# Altium PCB cricket-node-hw__B.PcbDoc (part 1 of 2)
Units mil, origin at the board's own origin, x right, y up, seen from the top; angles counter-clockwise.
Board outline 2830 x 2830 mil, 4 copper layers (Top Layer, GND1, PWR/SIG, Bottom Layer), stack 61.7 mil thick; 153 components, 116 nets, 542 pads, 320 vias.
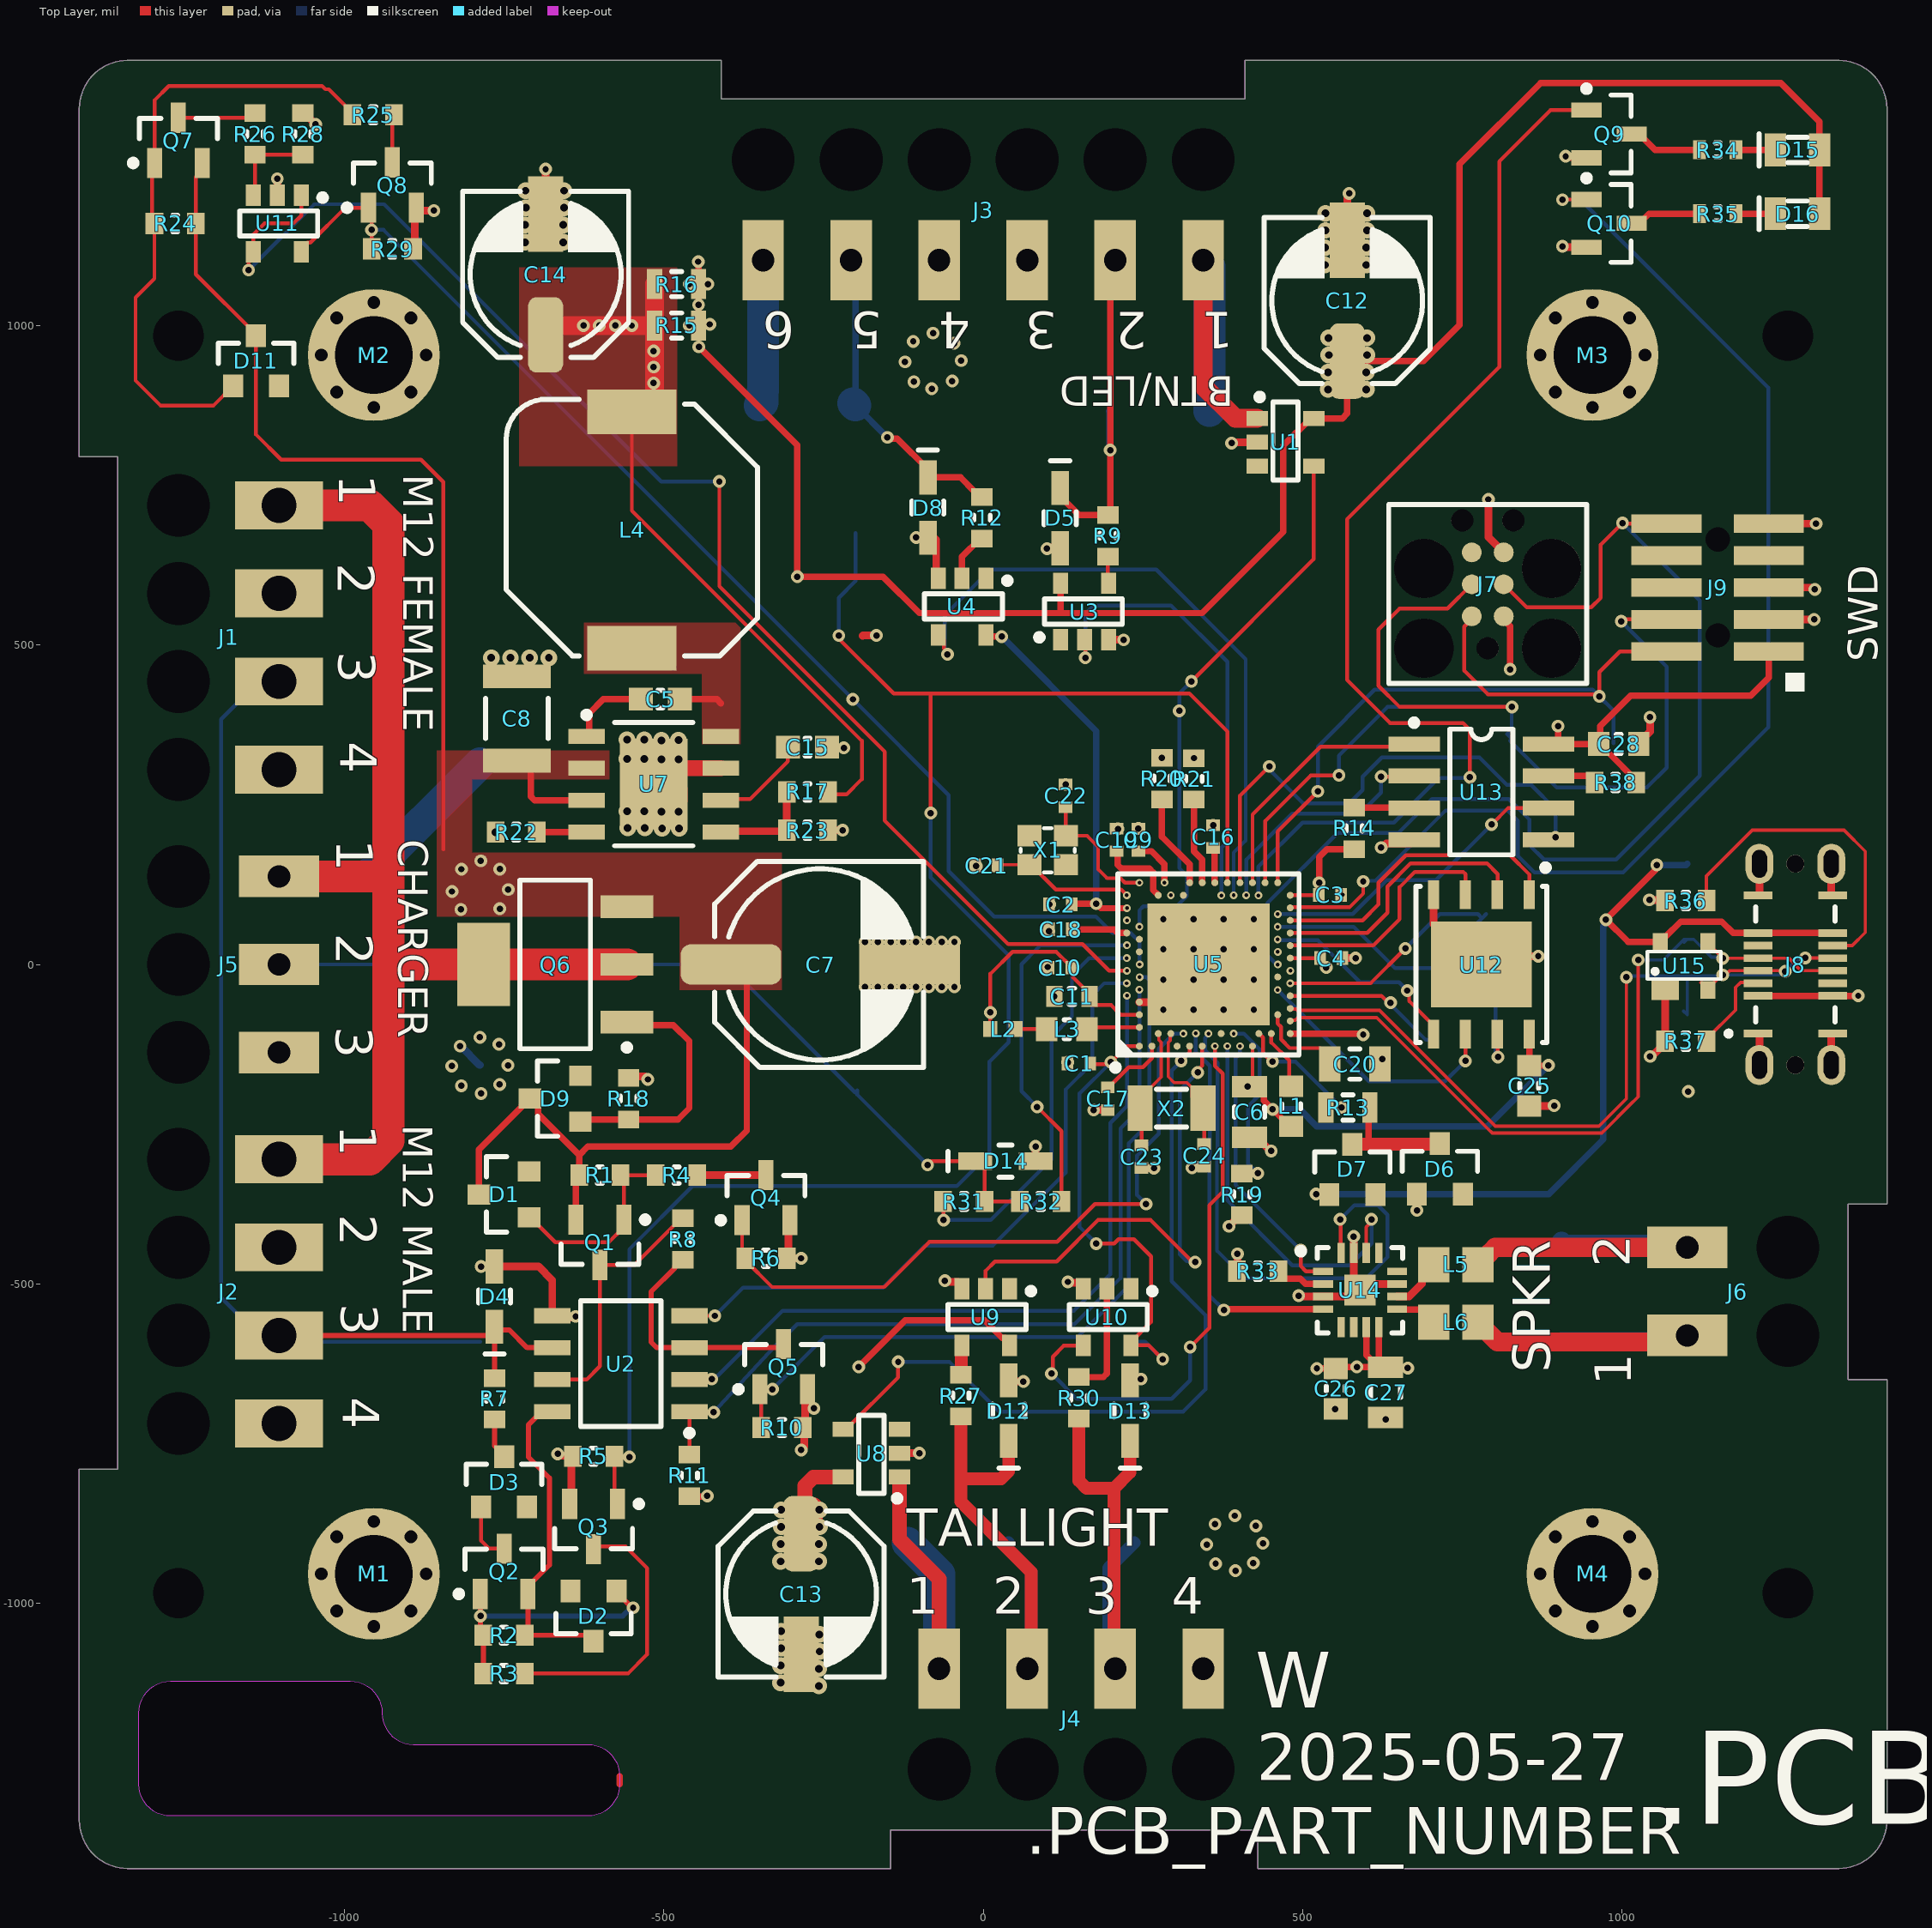
[diagram p0: Top Layer view]
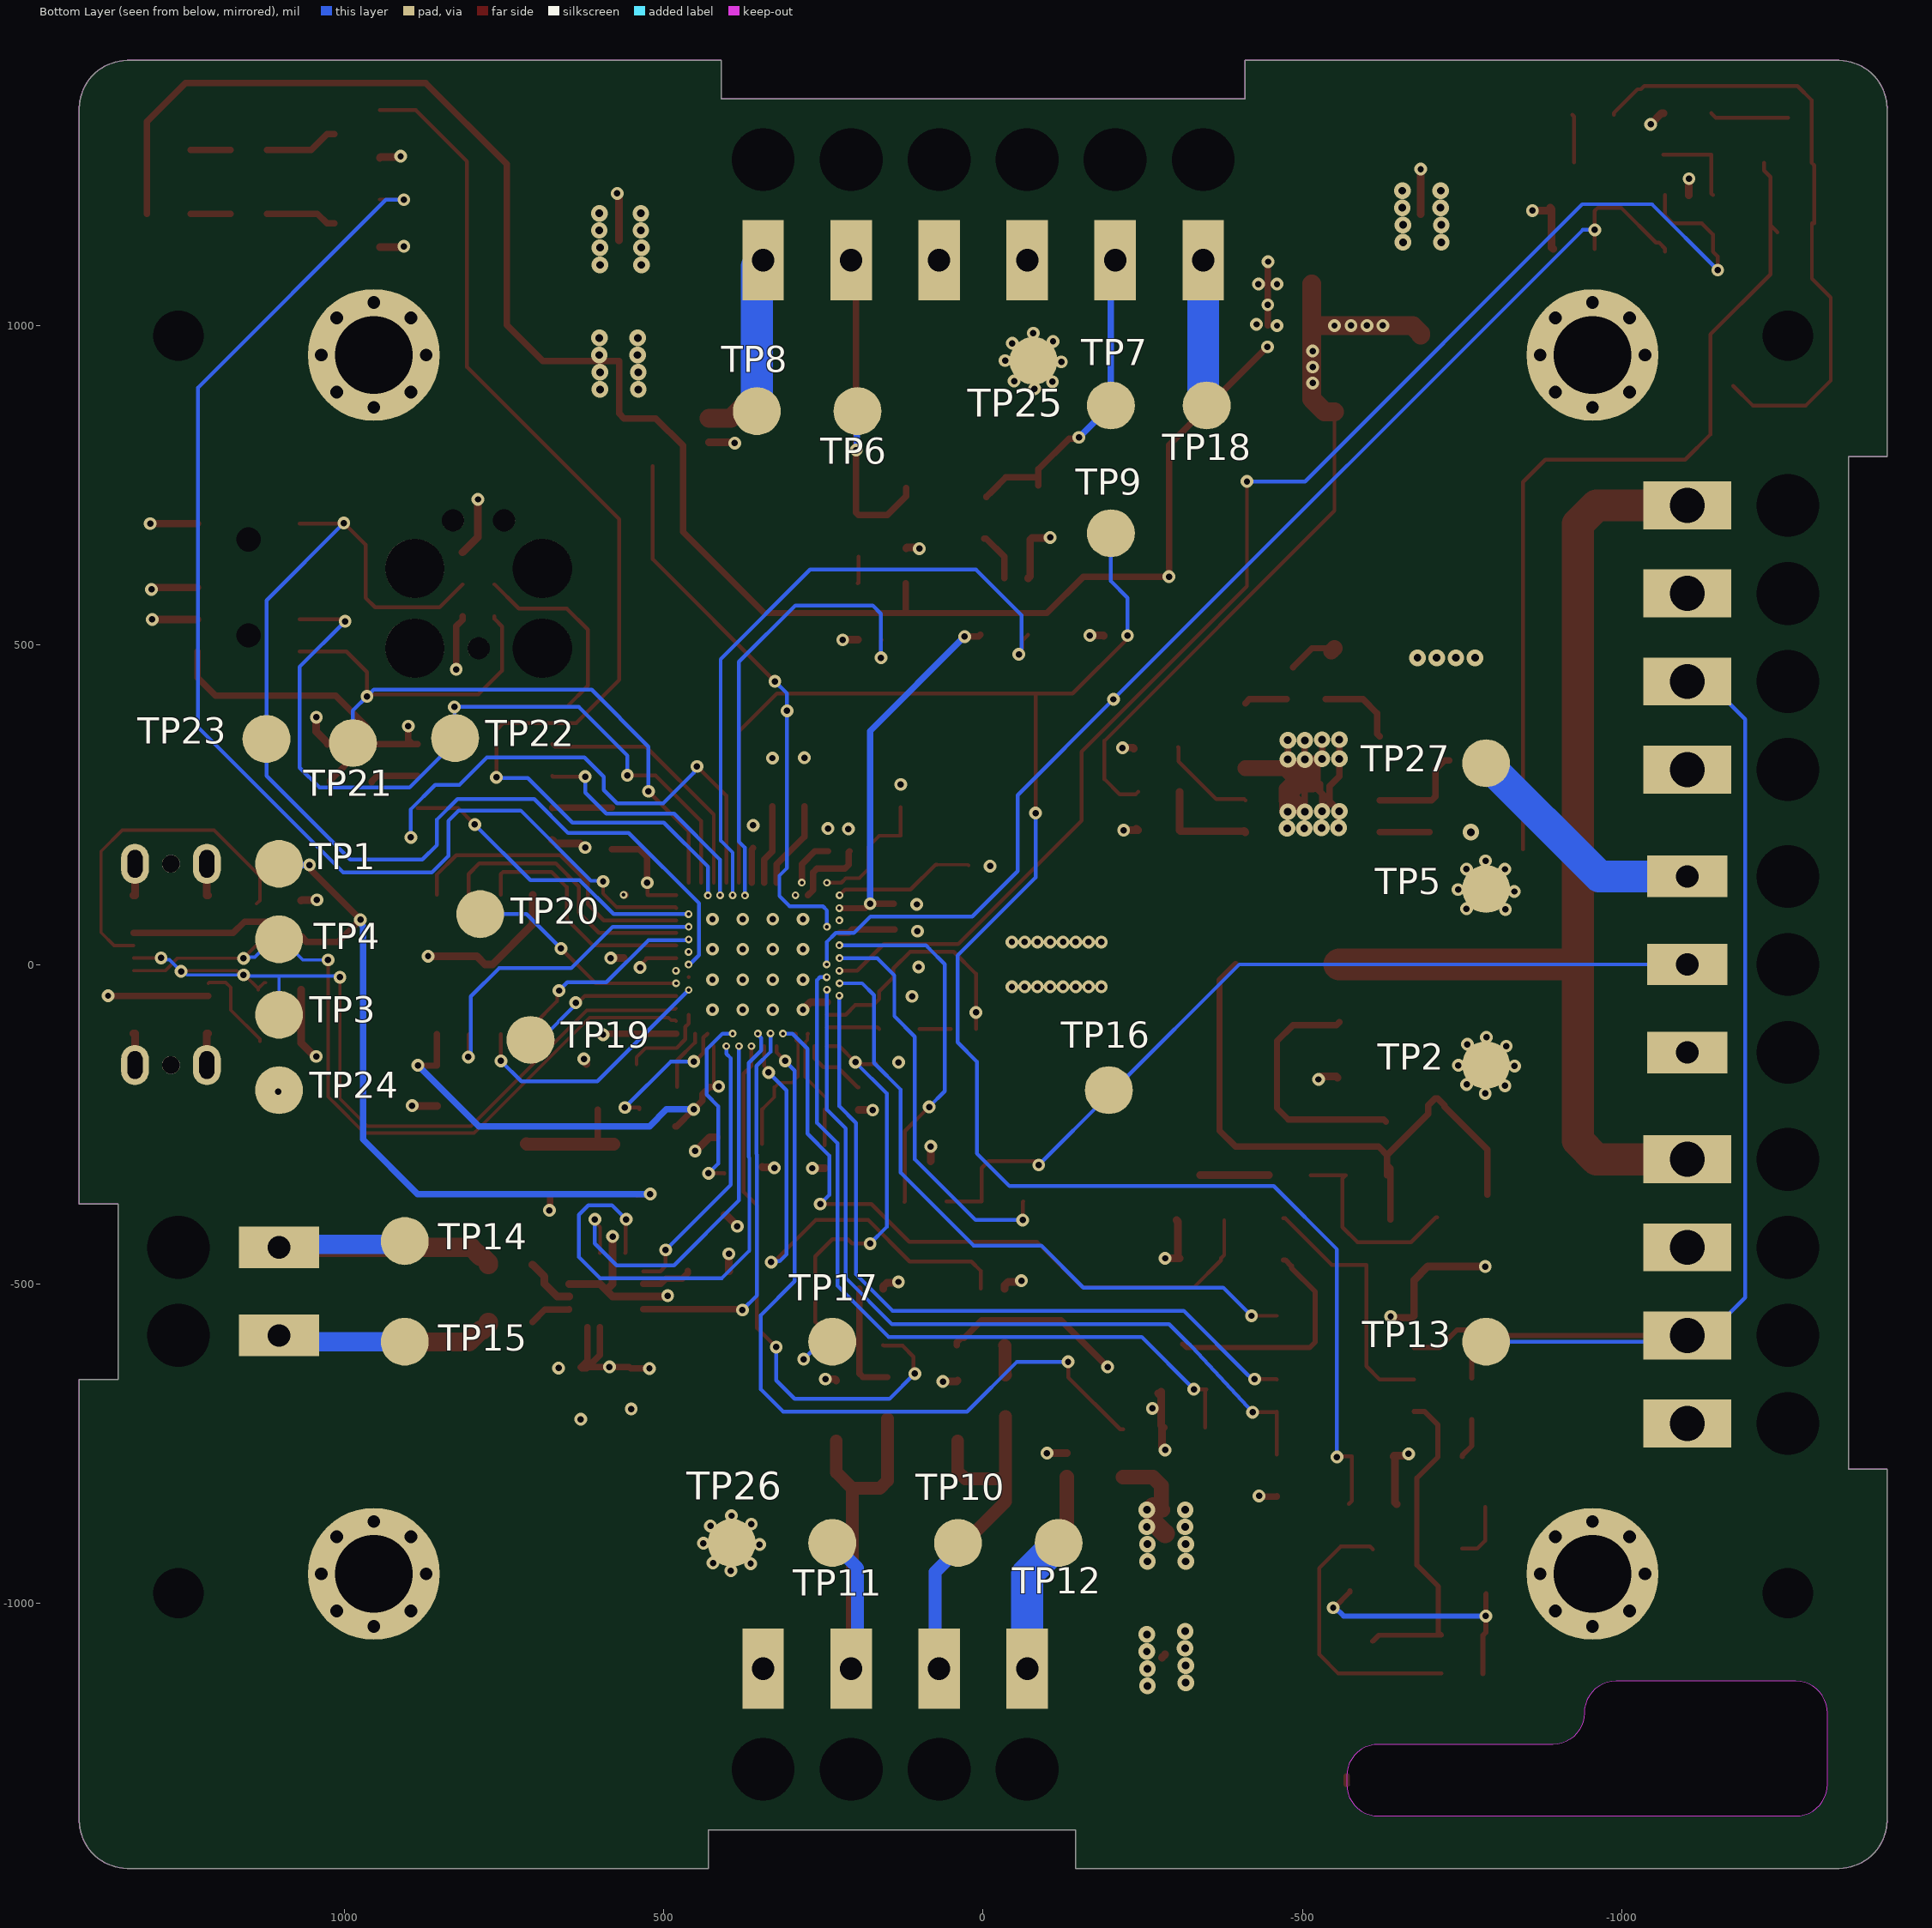
[diagram p1: Bottom Layer view, seen from below]
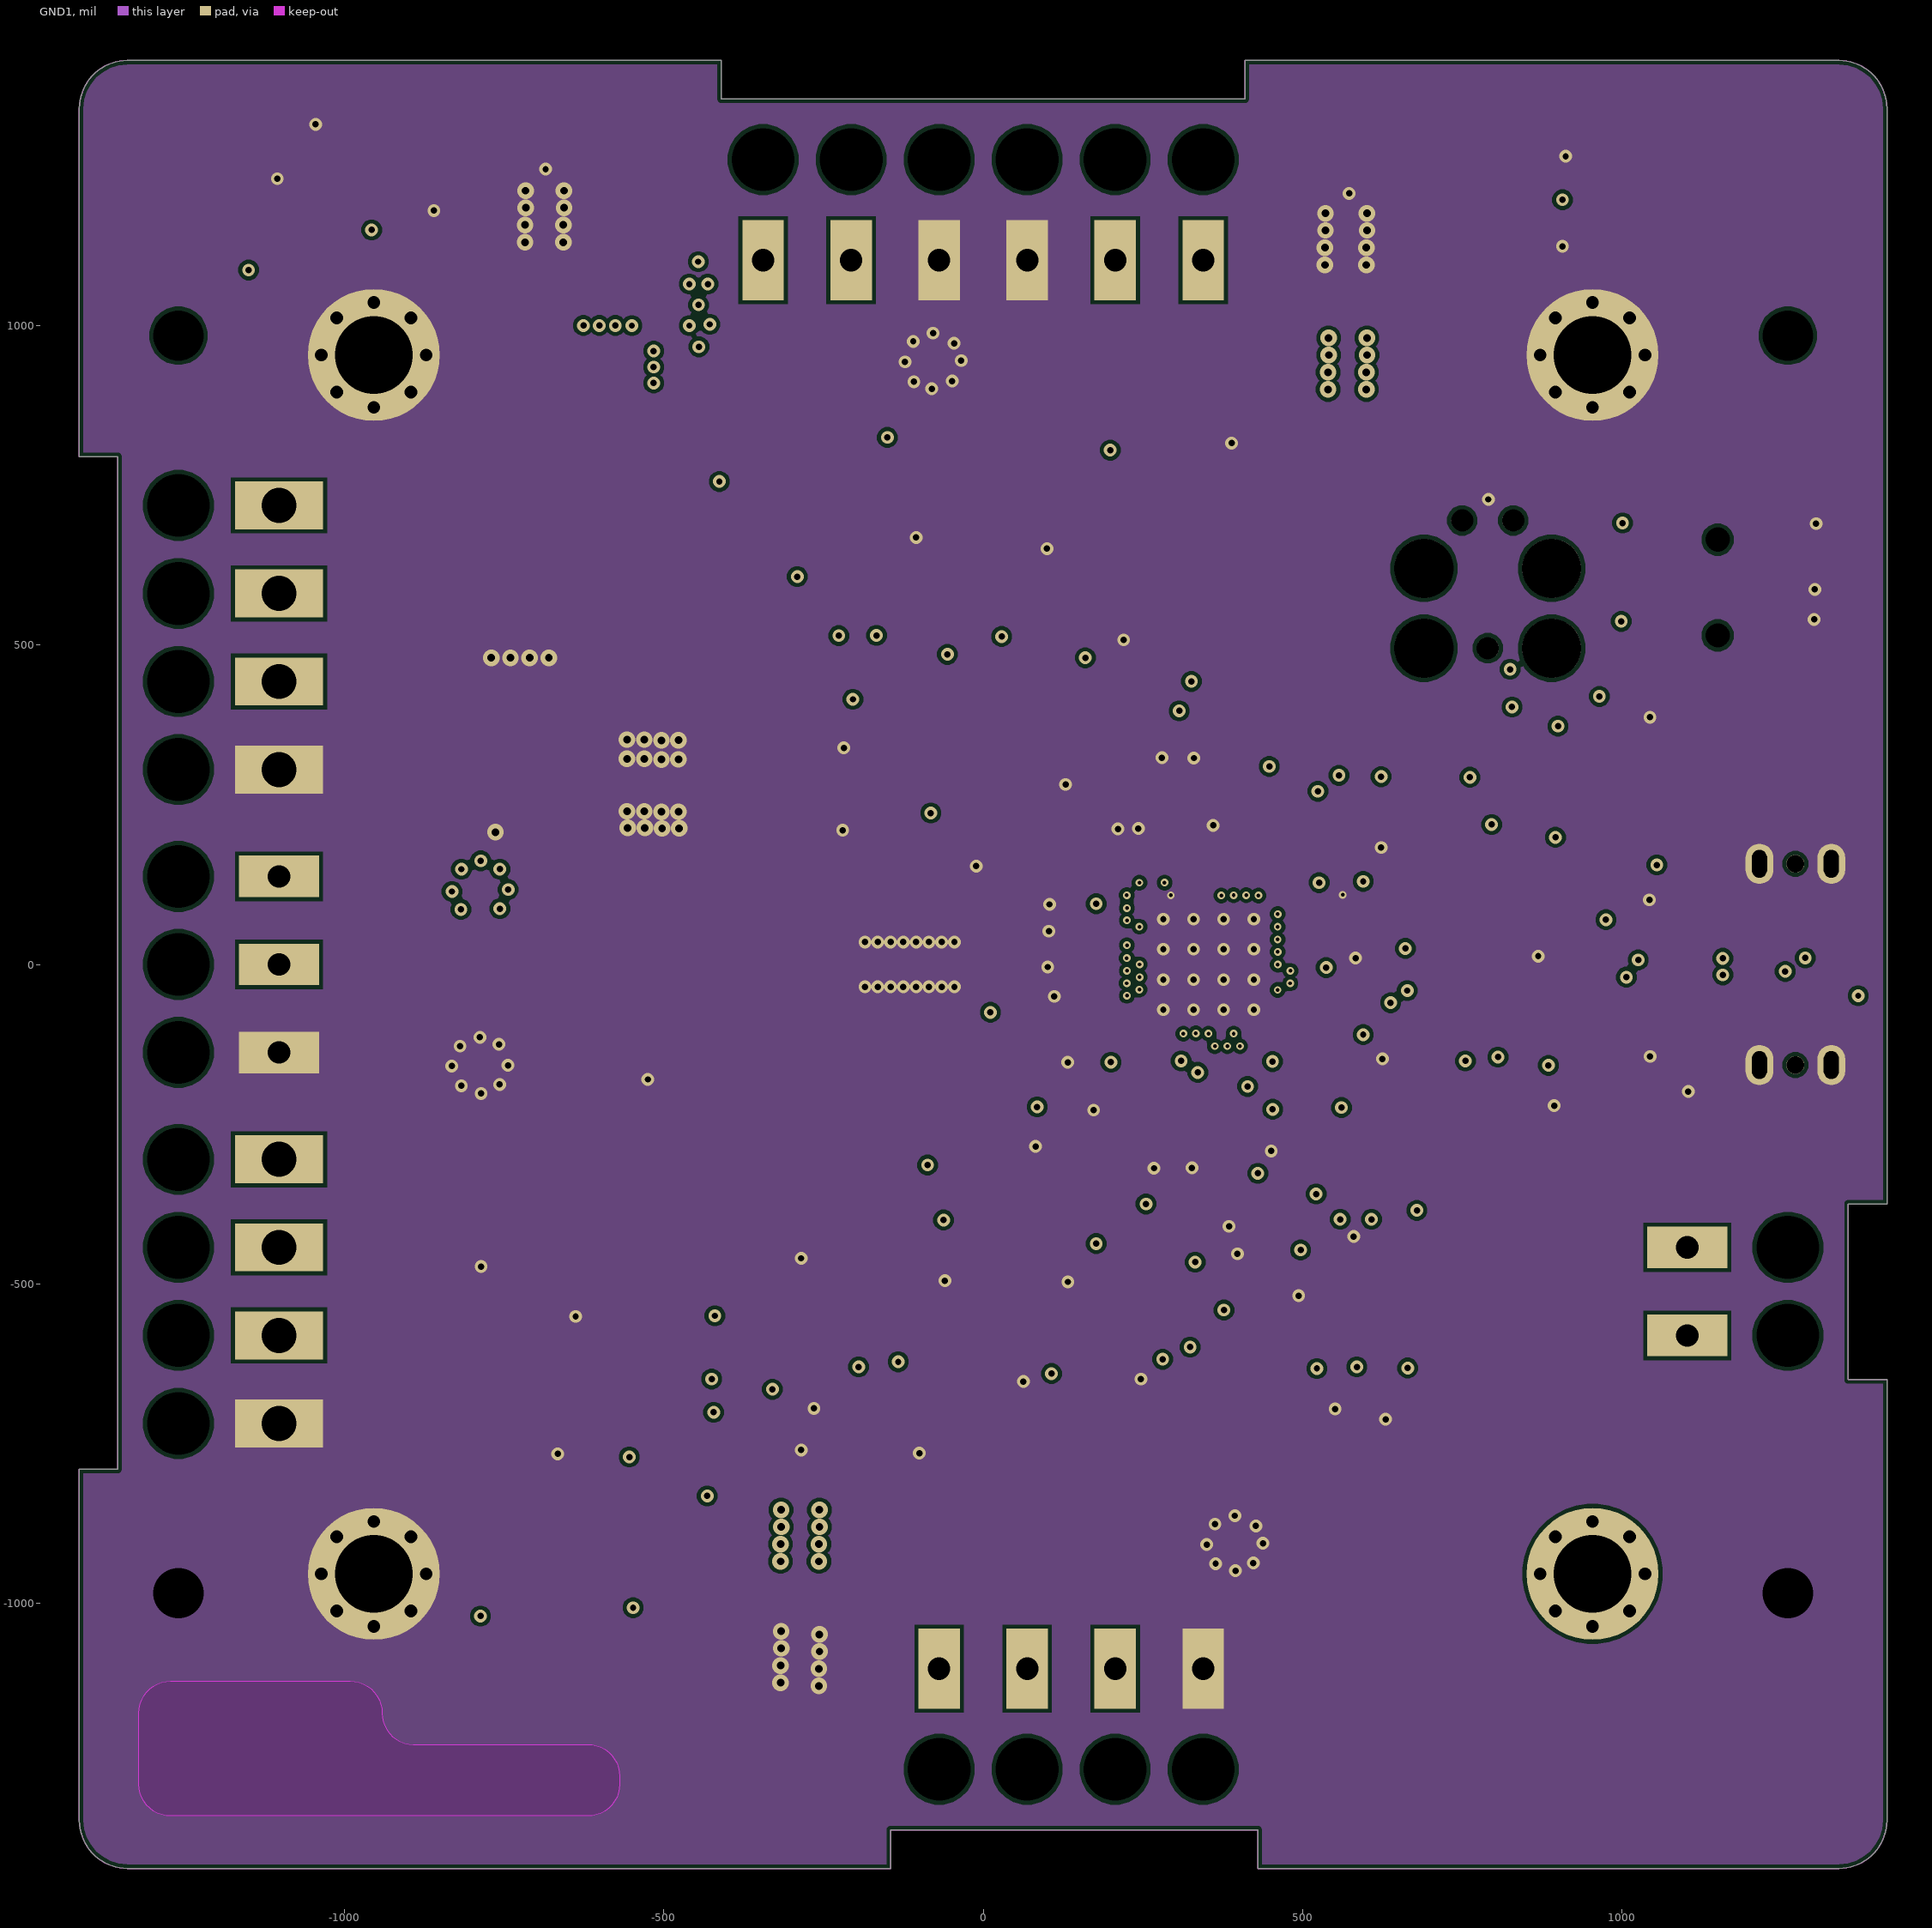
[diagram p2: GND1]
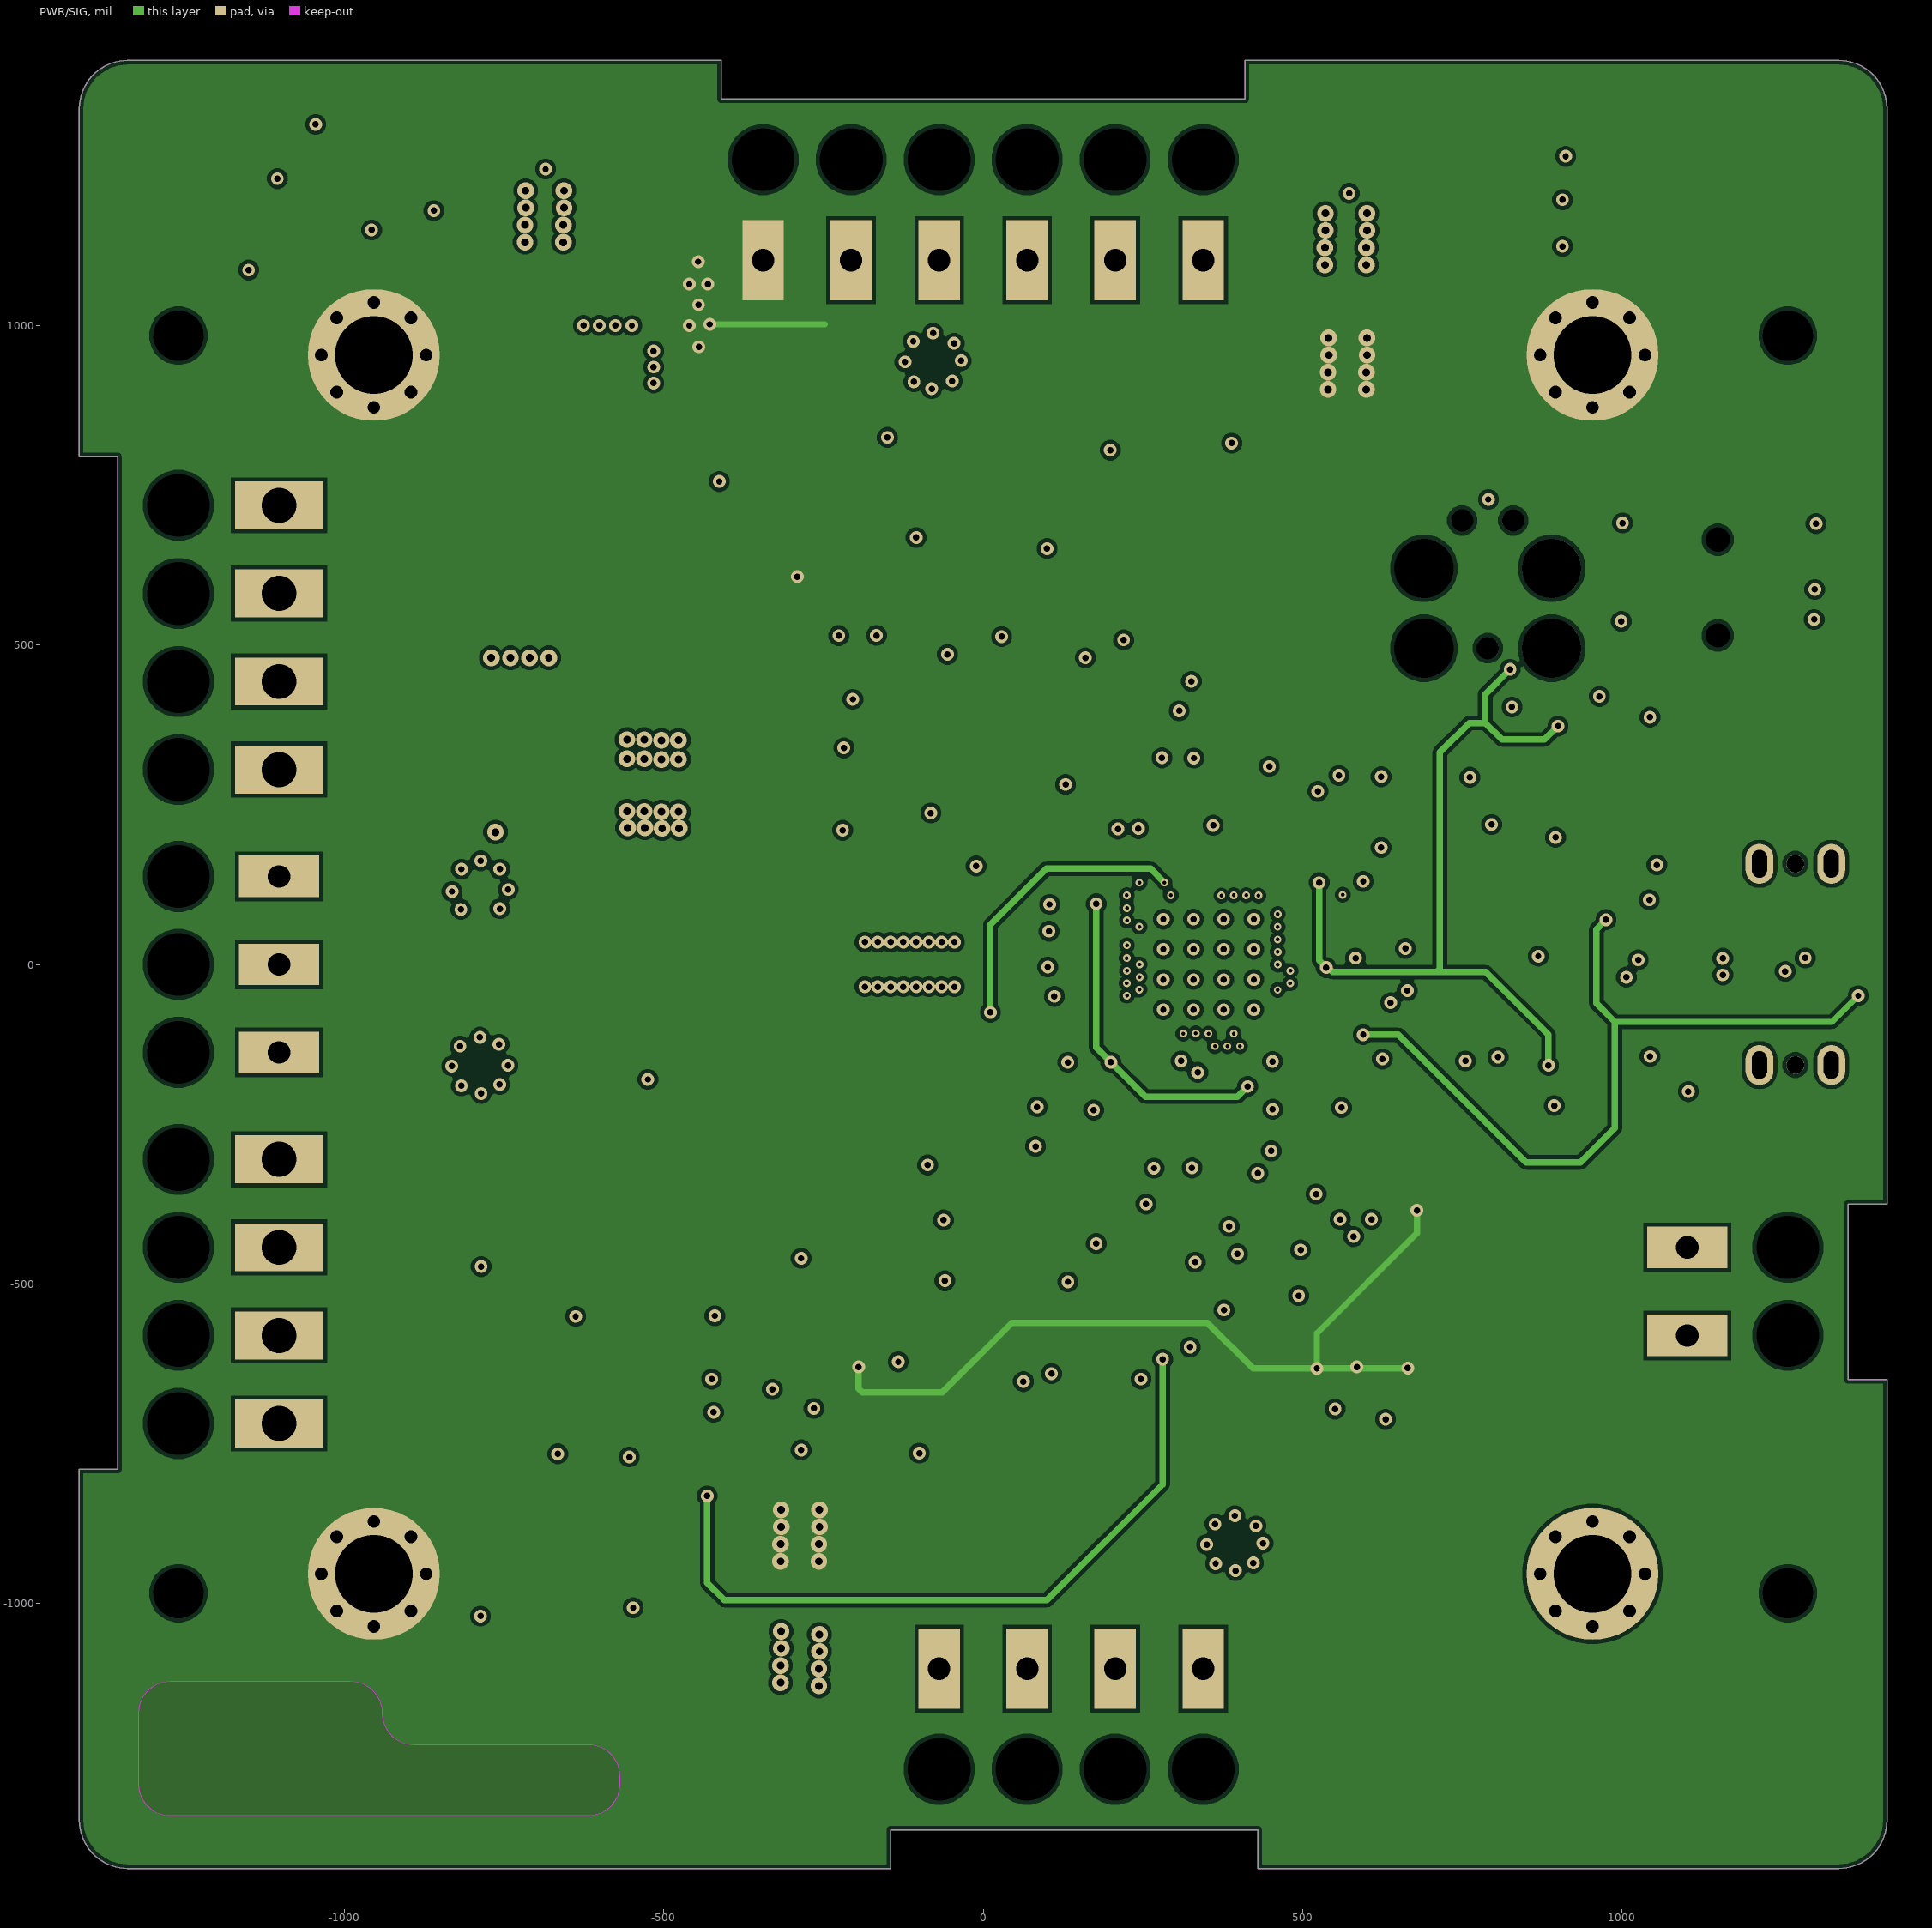
[diagram p3: PWR/SIG]
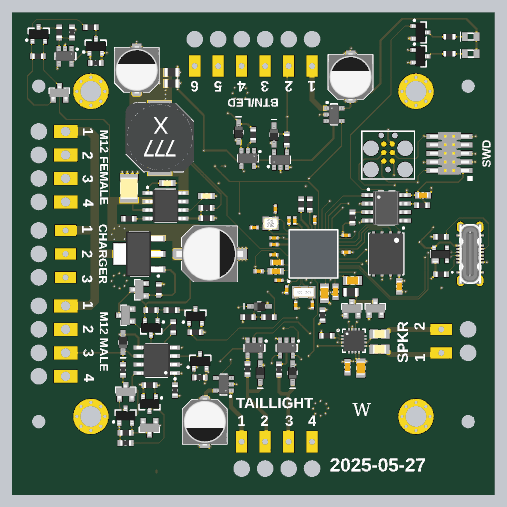
[diagram p5: 3D render of the assembled board from above, using the file's embedded part models]

## Layer stack, top to bottom
Top Solder: solder mask 0.4, Solder Resist, Dk 3.5
Top Layer: signal copper 1.4
Dielectric 1: prepreg 2.8, PP-006, Dk 4.1
GND1: signal copper 1.378
Dielectric1: dielectric 50.544, FR-4, Dk 4.8
PWR/SIG: signal copper 1.378
Dielectric 2: prepreg 2.8, PP-006, Dk 4.1
Bottom Layer: signal copper 1.4
Bottom Solder: solder mask 0.4, Solder Resist, Dk 3.5

## Board outline
-1415,-1340 ccw(c-1340,-1340) -1340,-1415 -145,-1415 -145,-1355 430,-1355 430,-1415 1340,-1415 ccw(c1340,-1340) 1415,-1340 1415,-650 1354.49,-650 1354.49,-374.97 1415,-374.97 1415,1340 ccw(c1340,1340) 1340,1415 410,1415 410,1355 -410,1355 -410,1415 -1340,1415 ccw(c-1340,1340) -1415,1340 -1415,795 -1355,795 -1355,-790 -1415,-790
cut-out: -1322,-1283 -1322,-1172 cw(c-1272,-1172) -1272,-1122 -991,-1122 cw(c-991,-1172) -941,-1172 ccw(c-892,-1172) -892,-1221 -619,-1221 cw(c-619,-1271) -569,-1271 -569,-1283 cw(c-619,-1283) -619,-1333 -1272,-1333 cw(c-1272,-1283)

## Design rules (kind name [scope] priority, off if disabled: settings)
Clearance [All] p1: gap=6 ignorepadtopadclearanceinfootprint=FALSE
ComponentClearance [All] p1: gap=0 collisioncheckmode=3 verticalgap=10 showdistances=FALSE
DiffPairsRouting USB [All] p1: maxlimit=6 minlimit=6 mostfreqgap=6 toplayer_minwidth=5.14 toplayer_maxwidth=5.14 toplayer_prefwidth=5.14 midlayer1_minwidth=5.14 midlayer1_maxwidth=5.14 midlayer1_prefwidth=5.14 midlayer2_minwidth=5.14 midlayer2_maxwidth=5.14 midlayer2_prefwidth=5.14 bottomlayer_minwidth=5.14 bottomlayer_maxwidth=5.14 bottomlayer_prefwidth=5.14 maxuncoupledlength=750
Height [All] p1: minheight=0 maxheight=3000 prefheight=500
HoleSize [All] p1: absolutevalues=TRUE maxlimit=250 minlimit=1 maxpercent=80.000 minpercent=20.000
PolygonConnect [All] p1: connectstyle=Direct reliefconductorwidth=10 reliefentries=4 polygonreliefangle="90 Angle" airgapwidth=10
RoutingVias [All] p1: holewidth=12 width=26 viastyle="Through Hole" minholewidth=6 minwidth=12 maxholewidth=50 maxwidth=75
SilkToSolderMaskClearance SilkscreenOverComponentPads [IsPad] p1: minsilkscreentomaskgap=10 clearancetoexposedcopper=TRUE
SolderMaskExpansion [All] p1: expansion=4 istentingtop=FALSE
SupplyNets "Schematic Supply Nets" [InNet('+VIN-PROTECT')] p1: voltage=0.000
SupplyNets "Schematic Supply Nets_1" [InNet('+5v0')] p2: voltage=0.000
SupplyNets "Schematic Supply Nets_2" [InNet('VDD')] p3: voltage=0.000
SupplyNets "Schematic Supply Nets_8" [InNet('+VIN')] p4: voltage=0.000
SupplyNets "Schematic Supply Nets_7" [InNet('GND')] p5: voltage=0.000
SupplyNets "Schematic Supply Nets_3" [InNet('+VBUS')] p6: voltage=0.000
Width [All] p1: maxlimit=200 minlimit=5 preferedwidth=6
25 further rules are at their usual default settings.

## Classes and differential pairs
differential pair USB-DEVICE-D: +USB-DEVICE-D_P -USB-DEVICE-D_N
